# Altium PCB MCP33151 Eval Board.PcbDoc (part 1 of 3) (continued)
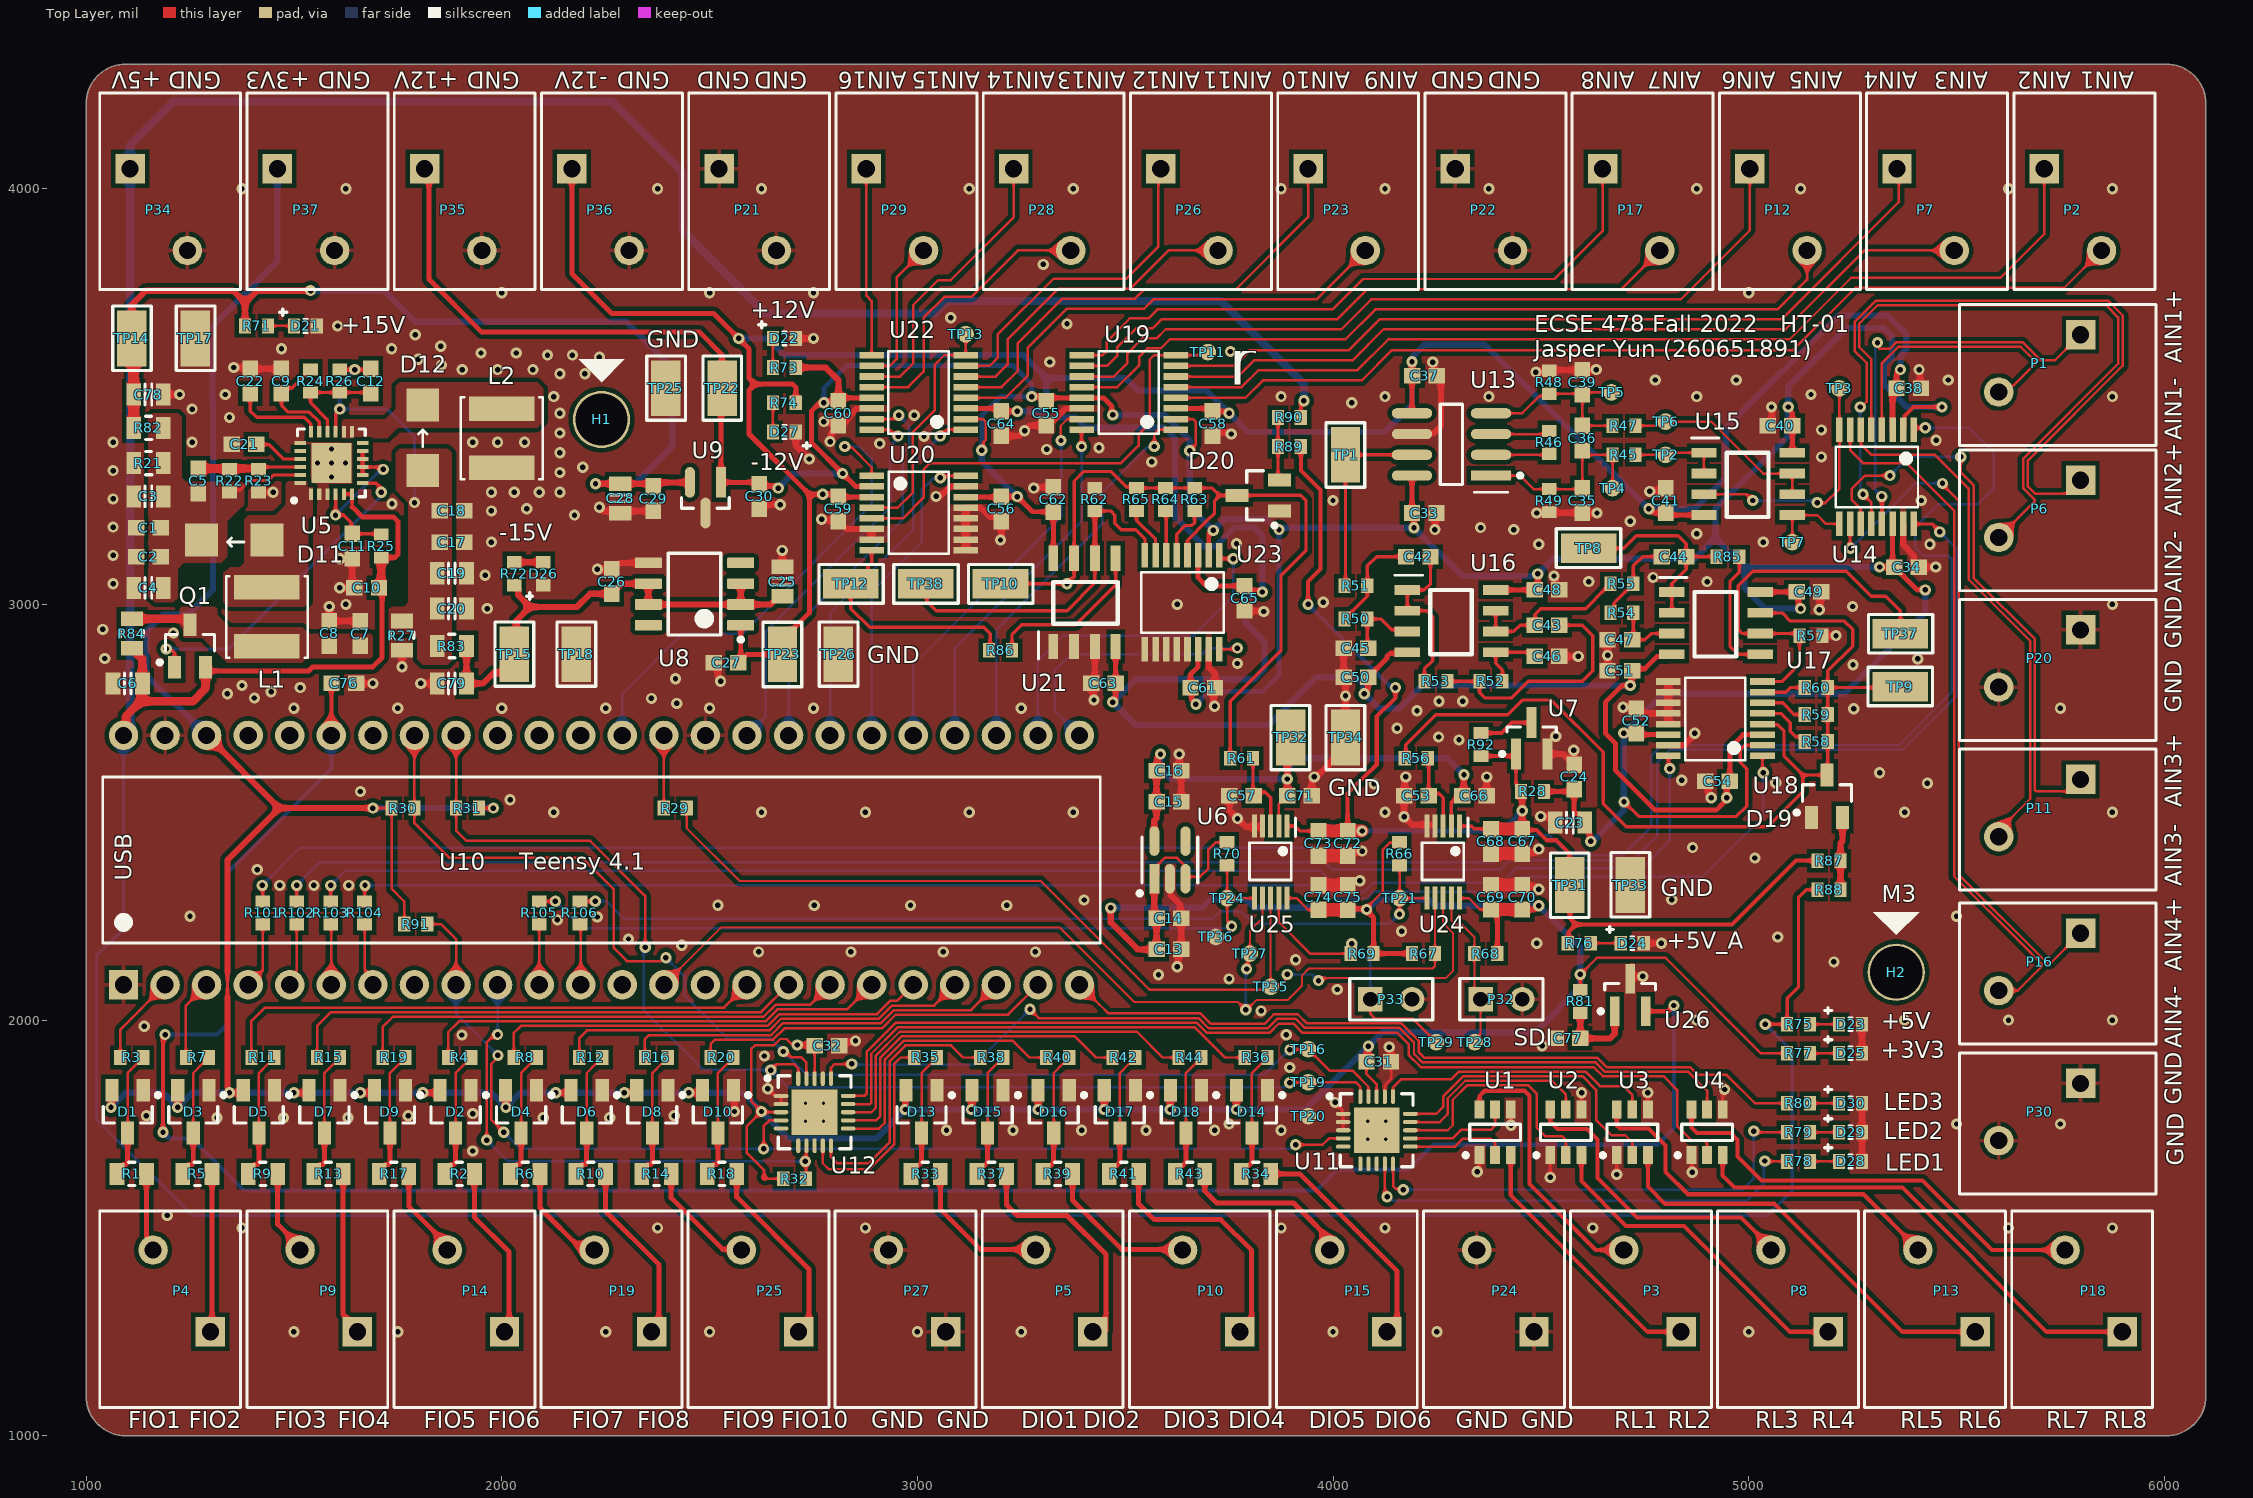
[diagram p0: Top Layer view]
## Classes and differential pairs
net class SPI: SPI_ADC_HS_DE_nCS SPI_ADC_LS_SE_nCS SPI_ADC_SCLK SPI_ADC_SDO
net class I2C: I2C_SCL I2C_SDA
net class Relays: RELAY_COIL_PWR_IN_CH_1 RELAY_COIL_PWR_IN_CH_2 RELAY_COIL_PWR_IN_CH_3 RELAY_COIL_PWR_IN_CH_4 RELAY_COIL_PWR_IN_CH_5 RELAY_COIL_PWR_IN_CH_6 RELAY_COIL_PWR_IN_CH_7 RELAY_COIL_PWR_IN_CH_8
net class "Digital IO": DIO_1 DIO_2 DIO_3 DIO_4 DIO_5 DIO_6 DIO_7 DIO_8 DIO_9 DIO_10 IO_EXPANSION_DIO1 IO_EXPANSION_DIO2 IO_EXPANSION_DIO3 IO_EXPANSION_DIO4 IO_EXPANSION_DIO5 IO_EXPANSION_DIO6
net class AIN_LS_SE: AIN_LS_SE_1 AIN_LS_SE_2 AIN_LS_SE_3 AIN_LS_SE_4 AIN_LS_SE_5 AIN_LS_SE_6 AIN_LS_SE_7 AIN_LS_SE_8 AIN_LS_SE_9 AIN_LS_SE_10 AIN_LS_SE_11 AIN_LS_SE_12 AIN_LS_SE_13 AIN_LS_SE_14 AIN_LS_SE_15 AIN_LS_SE_16
net class AIN_HS_DE: AIN_HS_DE_1_N AIN_HS_DE_1_P AIN_HS_DE_2_N AIN_HS_DE_2_P AIN_HS_DE_3_N AIN_HS_DE_3_P AIN_HS_DE_4_N AIN_HS_DE_4_P
component class "Relay Drivers": U1 U2 U3 U4
component class Power: C1 C2 C3 C4 C5 C6 C7 C8 C9 C10 C11 C12 C13 C14 C15 C16 C17 C18 C19 C20 C21 C22 C23 C24 C25 C26 C27 C28 C29 C30 C78 C79 D11 D12 L1 L2 Q1 R21 R22 R23 R24 R25 R26 R27 R28 R82 R83 R84 R92 U5 U6 U7 U8 U9
component class Microcontroller: C76 C77 R29 R30 R31 R81 R101 R102 R103 R104 R105 R106 U10 U26
component class "IO Expansion": C31 C32 R32 R91 U11 U12
component class "Digital IO Protection": D1 D2 D3 D4 D5 D6 D7 D8 D9 D10 D13 D14 D15 D16 D17 D18 R1 R2 R3 R4 R5 R6 R7 R8 R9 R10 R11 R12 R13 R14 R15 R16 R17 R18 R19 R20 R33 R34 R35 R36 R37 R38 R39 R40 R41 R42 R43 R44
component class Debug: D21 D22 D23 D24 D25 D26 D27 D28 D29 D30 R71 R72 R73 R74 R75 R76 R77 R78 R79 R80 TP14 TP15 TP16 TP17 TP18 TP19 TP20 TP21 TP22 TP23 TP24 TP25 TP26 TP27 TP28 TP29 TP31 TP32 TP33 TP34 TP35 TP36
component class Connectors: H1 H2 P1 P2 P3 P4 P5 P6 P7 P8 P9 P10 P11 P12 P13 P14 P15 P16 P17 P18 P19 P20 P21 P22 P23 P24 P25 P26 P27 P28 P29 P30 P34 P35 P36 P37
component class "Analog - Low Speed SE": C55 C56 C57 C58 C59 C60 C61 C62 C63 C64 C65 D20 R61 R62 R63 R64 R65 R86 R89 R90 TP10 TP11 TP12 TP13 TP38 U19 U20 U21 U22 U23
component class "Analog - High Speed DE": C33 C34 C35 C36 C37 C38 C39 C40 C41 C42 C43 C44 C45 C46 C47 C48 C49 C50 C51 C52 C53 C54 D19 R45 R46 R47 R48 R49 R50 R51 R52 R53 R54 R55 R56 R57 R58 R59 R60 R85 R87 R88 TP1 TP2 TP3 TP4 TP5 TP6 TP7 TP8 TP9 TP37 U13 U14 U15 U16 U17 U18
component class ADC: C66 C67 C68 C69 C70 C71 C72 C73 C74 C75 P32 P33 R66 R67 R68 R69 R70 U24 U25

## Components (designator, comment, footprint, x,y, rotation, side; value= is the part's Value field where it differs from the comment)
C1 "10nF" "0603 CAP SAMSUNG CL10C" 1150,3185 r0 top value=0603
C2 "100nF" "0603 CAP SAMSUNG CL10C" 1150,3115 r0 top value=0603
C3 "47uF" "0805 CAP" 1150,3260 r0 top value=0805
C4 "47uF" "0805 CAP" 1150,3040 r0 top value=0805
C5 "13pF" "0603 CAP SAMSUNG CL10C" 1270,3297.44 r90 top value=0603
C6 "47uF" "0805 CAP" 1100,2810 r0 top value=0805
C7 "10uF" "0603 CAP SAMSUNG CL10C" 1660,2930 r270 top value=0603
C8 "100nF" "0603 CAP SAMSUNG CL10C" 1585,2930.47 r270 top value=0603
C9 "220nF" "0603 CAP SAMSUNG CL10C" 1470,3537.44 r90 top value=0603
C10 "10uF" "0603 CAP SAMSUNG CL10C" 1675,3040 r0 top value=0603
C11 "100nF" "0603 CAP SAMSUNG CL10C" 1640,3140.47 r90 top value=0603
C12 "13pF" "0603 CAP SAMSUNG CL10C" 1685,3537.44 r270 top value=0603
C13 "10uF" "0603 CAP SAMSUNG CL10C" 3605,2170 r180 top value=0603
C14 "100nF" "0603 CAP SAMSUNG CL10C" 3605,2245 r180 top value=0603
C15 "100nF" "0603 CAP SAMSUNG CL10C" 3605,2525 r180 top value=0603
C16 "10uF" "0603 CAP SAMSUNG CL10C" 3605.47,2600 r180 top value=0603
C17 "10nF" "0603 CAP SAMSUNG CL10C" 1880,3150 r180 top value=0603
C18 "100nF" "0603 CAP SAMSUNG CL10C" 1880,3225 r180 top value=0603
C19 "47uF" "0805 CAP" 1880,3075 r180 top value=0805
C20 "47uF" "0805 CAP" 1880,2990 r180 top value=0805
C21 "10nF" "0603 CAP SAMSUNG CL10C" 1380,3385 r0 top value=0603
C22 "4.7nF" "0603 CAP SAMSUNG CL10C" 1395,3537.44 r270 top value=0603
C23 "10uF" "0805 CAP" 4570,2475 r0 top value=0805
C24 "100nF" "0603 CAP SAMSUNG CL10C" 4580,2585 r270 top value=0603
C25 "10uF" "0805 CAP" 2675,3055 r270 top value=0805
C26 "100nF" "0603 CAP SAMSUNG CL10C" 2265,3055 r270 top value=0603
C27 "100nF" "0603 CAP SAMSUNG CL10C" 2539.53,2860 r0 top value=0603
C28 "10uF" "0805 CAP" 2285,3255 r90 top value=0805
C29 "100nF" "0603 CAP SAMSUNG CL10C" 2365,3254.53 r90 top value=0603
C30 "100nF" "0603 CAP SAMSUNG CL10C" 2620,3260 r90 top value=0603
C31 "100nF" "0603 CAP SAMSUNG CL10C" 4110,1900 r180 top value=0603
C32 "100nF" "0603 CAP SAMSUNG CL10C" 2782.65,1938.35 r180 top value=0603
C33 "100nF" "0603 CAP SAMSUNG CL10C" 4219.5,3220 r180 top value=0603
C34 "100nF" "0603 CAP SAMSUNG CL10C" 5380,3090 r180 top value=0603
C35 "100pF" "0603 CAP SAMSUNG CL10C" 4600,3250 r270 top value=0603
C36 "1nF" "0603 CAP SAMSUNG CL10C" 4600,3400 r270 top value=0603
C37 "100nF" "0603 CAP SAMSUNG CL10C" 4220,3550 r180 top value=0603
C38 "100nF" "0603 CAP SAMSUNG CL10C" 5385,3520 r180 top value=0603
C39 "100pF" "0603 CAP SAMSUNG CL10C" 4600,3534.53 r270 top value=0603
C40 "100nF" "0603 CAP SAMSUNG CL10C" 5075.47,3430 r0 top value=0603
C41 "100nF" "0603 CAP SAMSUNG CL10C" 4800,3250 r90 top value=0603
C42 "1nF" "0603 CAP SAMSUNG CL10C" 4205,3115 r180 top value=0603
C43 "1nF" "0603 CAP SAMSUNG CL10C" 4515,2950 r0 top value=0603
C44 "1nF" "0603 CAP SAMSUNG CL10C" 4820,3115 r180 top value=0603
C45 "100pF" "0603 CAP SAMSUNG CL10C" 4055,2895 r0 top value=0603
C46 "100pF" "0603 CAP SAMSUNG CL10C" 4515,2875 r180 top value=0603
C47 "100pF" "0603 CAP SAMSUNG CL10C" 4690,2915 r0 top value=0603
C48 "100nF" "0603 CAP SAMSUNG CL10C" 4515,3035 r180 top value=0603
C49 "100nF" "0603 CAP SAMSUNG CL10C" 5145,3030 r180 top value=0603
C50 "100nF" "0603 CAP SAMSUNG CL10C" 4055,2825 r180 top value=0603
C51 "100nF" "0603 CAP SAMSUNG CL10C" 4690,2840 r180 top value=0603
C52 "100nF" "0603 CAP SAMSUNG CL10C" 4730,2720 r270 top value=0603
C53 "100nF" "0603 CAP SAMSUNG CL10C" 4200.47,2540 r0 top value=0603
C54 "100nF" "0603 CAP SAMSUNG CL10C" 4925,2575 r0 top value=0603
C55 "100nF" "0603 CAP SAMSUNG CL10C" 3310,3460 r90 top value=0603
C56 "100nF" "0603 CAP SAMSUNG CL10C" 3202,3230 r90 top value=0603
C57 "100nF" "0603 CAP SAMSUNG CL10C" 3780,2540 r0 top value=0603
C58 "100nF" "0603 CAP SAMSUNG CL10C" 3710,3435 r90 top value=0603
C59 "100nF" "0603 CAP SAMSUNG CL10C" 2810,3230 r90 top value=0603
C60 "100nF" "0603 CAP SAMSUNG CL10C" 2810,3460 r90 top value=0603
C61 "100nF" "0603 CAP SAMSUNG CL10C" 3686.53,2800 r180 top value=0603
C62 "100nF" "0603 CAP SAMSUNG CL10C" 3327,3252.56 r270 top value=0603
C63 "100nF" "0603 CAP SAMSUNG CL10C" 3447.47,2810 r180 top value=0603
C64 "100nF" "0603 CAP SAMSUNG CL10C" 3202,3435 r90 top value=0603
C65 "100nF" "0603 CAP SAMSUNG CL10C" 3787,3015 r90 top value=0603
C66 "10uF" "0603 CAP SAMSUNG CL10C" 4340,2540 r180 top value=0603
C67 "10uF" "0603 CAP SAMSUNG CL10C" 4455,2430 r90 top value=0603
C68 "100nF" "0603 CAP SAMSUNG CL10C" 4380,2430 r90 top value=0603
C69 "100nF" "0603 CAP SAMSUNG CL10C" 4380,2295.47 r270 top value=0603
C70 "10uF" "0603 CAP SAMSUNG CL10C" 4455,2295.47 r270 top value=0603
C71 "10uF" "0603 CAP SAMSUNG CL10C" 3919.53,2540 r180 top value=0603
C72 "10uF" "0603 CAP SAMSUNG CL10C" 4035,2425 r90 top value=0603
C73 "100nF" "0603 CAP SAMSUNG CL10C" 3965,2425 r90 top value=0603
C74 "100nF" "0603 CAP SAMSUNG CL10C" 3965,2295 r270 top value=0603
C75 "10uF" "0603 CAP SAMSUNG CL10C" 4035,2295 r270 top value=0603
C76 "100nF" "0603 CAP SAMSUNG CL10C" 1620,2810 r180 top value=0603
C77 "100nF" "0603 CAP SAMSUNG CL10C" 4565,1956 r0 top value=0603
C78 "47uF" "0805 CAP" 1150,3505 r180 top value=0805
C79 "47uF" "0805 CAP" 1880,2810 r0 top value=0805
D1 "BAT54S" SOT23-3 1100,1780 r270 top
D2 "BAT54S" SOT23-3 1888.89,1780 r270 top
D3 "BAT54S" SOT23-3 1257.78,1780 r270 top
D4 "BAT54S" SOT23-3 2046.67,1780 r270 top
D5 "BAT54S" SOT23-3 1415.56,1780 r270 top
D6 "BAT54S" SOT23-3 2204.44,1780 r270 top
D7 "BAT54S" SOT23-3 1573.33,1780 r270 top
D8 "BAT54S" SOT23-3 2362.22,1780 r270 top
D9 "BAT54S" SOT23-3 1731.11,1780 r270 top
D10 "BAT54S" SOT23-3 2520,1780 r270 top
D11 "CDBA140-HF" "Diode SMA" 1356.26,3155 r0 top
D12 "CDBA140-HF" "Diode SMA" 1810,3401.26 r270 top
D13 "BAT54S" SOT23-3 3010,1780 r270 top
D14 "BAT54S" SOT23-3 3805,1780 r270 top
D15 "BAT54S" SOT23-3 3169,1780 r270 top
D16 "BAT54S" SOT23-3 3328,1780 r270 top
D17 "BAT54S" SOT23-3 3487,1780 r270 top
D18 "BAT54S" SOT23-3 3646,1780 r270 top
D19 "BAT54S" SOT23-3 5188.35,2538.62 r90 top
D20 "BAT54S" SOT23-3 3820,3262.4 r180 top
D21 "LED Green" "0603 LED" 1527.56,3670 r0 top
D22 "LED Green" "0603 LED" 2680,3640 r0 top
D23 "LED Green" "0603 LED" 5245.12,1990 r0 top
D24 "LED Green" "0603 LED" 4720,2185 r0 top
D25 "LED Green" "0603 LED" 5245.12,1920 r0 top
D26 "LED Green" "0603 LED" 2100,3074 r90 top
D27 "LED Green" "0603 LED" 2680,3415 r180 top
D28 "LED Red" "0603 LED" 5245.12,1660 r0 top
D29 "LED Green" "0603 LED" 5245.12,1730 r0 top
D30 "LED Green" "0603 LED" 5245.12,1800 r0 top
H1 "M3" "HOLE M3" 2240,3445 r0 top
H2 "M3" "HOLE M3" 5355,2115 r0 top
L1 "4.7uH" "Inductor BWVS005050403R3M00" 1435,2970 r0 top value=Value
L2 "4.7uH" "Inductor BWVS005050403R3M00" 2000,3400 r0 top value=Value
P1 "1985195" "TERMINAL BLOCK 1985195 2-POS 3.5MM PITCH" 5700,3580 r90 top
P2 "1985195" "TERMINAL BLOCK 1985195 2-POS 3.5MM PITCH" 5780,3950 r180 top
P3 "1985195" "TERMINAL BLOCK 1985195 2-POS 3.5MM PITCH" 4768.46,1348.43 r0 top
P4 "1985195" "TERMINAL BLOCK 1985195 2-POS 3.5MM PITCH" 1230,1348.43 r0 top
P5 "1985195" "TERMINAL BLOCK 1985195 2-POS 3.5MM PITCH" 3353.08,1348.43 r0 top
P6 "1985195" "TERMINAL BLOCK 1985195 2-POS 3.5MM PITCH" 5700,3230 r90 top
P7 "1985195" "TERMINAL BLOCK 1985195 2-POS 3.5MM PITCH" 5425.75,3950 r180 top
P8 "1985195" "TERMINAL BLOCK 1985195 2-POS 3.5MM PITCH" 5122.31,1348.43 r0 top
P9 "1985195" "TERMINAL BLOCK 1985195 2-POS 3.5MM PITCH" 1583.85,1348.43 r0 top
P10 "1985195" "TERMINAL BLOCK 1985195 2-POS 3.5MM PITCH" 3706.92,1348.43 r0 top
P11 "1985195" "TERMINAL BLOCK 1985195 2-POS 3.5MM PITCH" 5700,2510 r90 top
P12 "1985195" "TERMINAL BLOCK 1985195 2-POS 3.5MM PITCH" 5071.51,3950 r180 top
P13 "1985195" "TERMINAL BLOCK 1985195 2-POS 3.5MM PITCH" 5476.15,1348.43 r0 top
P14 "1985195" "TERMINAL BLOCK 1985195 2-POS 3.5MM PITCH" 1937.69,1348.43 r0 top
P15 "1985195" "TERMINAL BLOCK 1985195 2-POS 3.5MM PITCH" 4060.77,1348.43 r0 top
P16 "1985195" "TERMINAL BLOCK 1985195 2-POS 3.5MM PITCH" 5700,2140 r90 top
P17 "1985195" "TERMINAL BLOCK 1985195 2-POS 3.5MM PITCH" 4717.26,3950 r180 top
P18 "1985195" "TERMINAL BLOCK 1985195 2-POS 3.5MM PITCH" 5830,1348.43 r0 top
P19 "1985195" "TERMINAL BLOCK 1985195 2-POS 3.5MM PITCH" 2291.54,1348.43 r0 top
P20 "1985195" "TERMINAL BLOCK 1985195 2-POS 3.5MM PITCH" 5700,2870 r90 top
P21 "1985195" "TERMINAL BLOCK 1985195 2-POS 3.5MM PITCH" 2591.78,3950 r180 top
P22 "1985195" "TERMINAL BLOCK 1985195 2-POS 3.5MM PITCH" 4363.01,3950 r180 top
P23 "1985195" "TERMINAL BLOCK 1985195 2-POS 3.5MM PITCH" 4008.77,3950 r180 top
P24 "1985195" "TERMINAL BLOCK 1985195 2-POS 3.5MM PITCH" 4414.61,1348.43 r0 top
P25 "1985195" "TERMINAL BLOCK 1985195 2-POS 3.5MM PITCH" 2645.38,1348.43 r0 top
P26 "1985195" "TERMINAL BLOCK 1985195 2-POS 3.5MM PITCH" 3654.52,3950 r180 top
P27 "1985195" "TERMINAL BLOCK 1985195 2-POS 3.5MM PITCH" 2999.23,1348.43 r0 top
P28 "1985195" "TERMINAL BLOCK 1985195 2-POS 3.5MM PITCH" 3300.27,3950 r180 top
P29 "1985195" "TERMINAL BLOCK 1985195 2-POS 3.5MM PITCH" 2946.03,3950 r180 top
P30 "1985195" "TERMINAL BLOCK 1985195 2-POS 3.5MM PITCH" 5700,1778.9 r90 top
P32 "Jumper" HDR1X2 4355,2050 r0 top
P33 "Jumper" HDR1X2 4090,2050 r0 top
P34 "1985195" "TERMINAL BLOCK 1985195 2-POS 3.5MM PITCH" 1174.8,3950 r180 top
P35 "1985195" "TERMINAL BLOCK 1985195 2-POS 3.5MM PITCH" 1883.29,3950 r180 top
P36 "1985195" "TERMINAL BLOCK 1985195 2-POS 3.5MM PITCH" 2237.53,3950 r180 top
P37 "1985195" "TERMINAL BLOCK 1985195 2-POS 3.5MM PITCH" 1529.04,3950 r180 top
Q1 "AO3407A" SOT23-3 1250,2900 r90 top
R1 "470R" "0805 RES" 1109.85,1630 r180 top
R2 "470R" "0805 RES" 1898.73,1630 r180 top
R3 "10R" "0603 RES" 1109.85,1910 r0 top
R4 "10R" "0603 RES" 1898.73,1910 r0 top
R5 "470R" "0805 RES" 1267.62,1630 r180 top
R6 "470R" "0805 RES" 2056.51,1630 r180 top
R7 "10R" "0603 RES" 1267.62,1910 r0 top
R8 "10R" "0603 RES" 2056.51,1910 r0 top
R9 "470R" "0805 RES" 1425.4,1630 r180 top
R10 "470R" "0805 RES" 2214.29,1630 r180 top
R11 "10R" "0603 RES" 1425.4,1910 r0 top
R12 "10R" "0603 RES" 2214.29,1910 r0 top
R13 "470R" "0805 RES" 1583.18,1630 r180 top
R14 "470R" "0805 RES" 2372.07,1630 r180 top
R15 "10R" "0603 RES" 1583.18,1910 r0 top
R16 "10R" "0603 RES" 2372.07,1910 r0 top
R17 "470R" "0805 RES" 1740.96,1630 r180 top
R18 "470R" "0805 RES" 2529.85,1630 r180 top
R19 "10R" "0603 RES" 1740.96,1910 r0 top
R20 "10R" "0603 RES" 2529.84,1910 r0 top
R21 "10K0" "0805 RES" 1150,3340 r0 top value=0805
R22 "536K0" "0603 RES" 1345,3297.44 r90 top value=1%
R23 "47K50" "0603 RES" 1415,3297.44 r270 top value=1%
R24 "47K50" "0603 RES" 1540,3537.44 r270 top value=1%
R25 "100R" "0603 RES" 1710,3140.47 r90 top value=1%
R26 "576K00" "0603 RES" 1610,3537.44 r270 top value=1%
R27 "10K0" "0805 RES" 1760,2925 r90 top value=0805
R28 "4K22" "0603 RES" 4480,2550 r180 top value=1%
R29 "33R" "0603 RES" 2417.56,2510 r0 top value=1%
R30 "2K55" "0603 RES" 1762.44,2510 r0 top value=0603
R31 "2K55" "0603 RES" 1917.56,2510 r180 top value=0603
R32 "10K0" "0603 RES" 2704.65,1618.35 r0 top value=1%
R33 "470R" "0805 RES" 3019.85,1630 r180 top
R34 "470R" "0805 RES" 3814.85,1630 r180 top
R35 "10R" "0603 RES" 3019.85,1910 r0 top
R36 "10R" "0603 RES" 3814.85,1910 r0 top
R37 "470R" "0805 RES" 3178.85,1630 r180 top
R38 "10R" "0603 RES" 3178.85,1910 r0 top
R39 "470R" "0805 RES" 3337.85,1630 r180 top
R40 "10R" "0603 RES" 3337.85,1910 r0 top
R41 "470R" "0805 RES" 3496.85,1630 r180 top
R42 "10R" "0603 RES" 3496.85,1910 r0 top
R43 "470R" "0805 RES" 3655.85,1630 r180 top
R44 "10R" "0603 RES" 3655.85,1910 r0 top
R45 "0R" "0603 RES" 4699.98,3360 r0 top value=1%
R46 "1K00" "0603 RES" 4520,3390 r270 top value=1%
R47 "0R" "0603 RES" 4699.98,3430 r0 top value=1%
R48 "47K5" "0603 RES" 4520,3534.53 r270 top value=1%
R49 "47K5" "0603 RES" 4520,3250 r90 top value=1%
R50 "63K40" "0603 RES" 4055,2965 r0 top value=1%
R51 "1K69" "0603 RES" 4055,3045 r0 top value=1%
R52 "48K70" "0603 RES" 4380,2815 r0 top value=1%
R53 "1K96" "0603 RES" 4247.56,2815 r0 top value=1%
R54 "24K30" "0603 RES" 4695,2980 r0 top value=1%
R55 "3K16" "0603 RES" 4695,3050 r0 top value=1%
R56 "0R" "0603 RES" 4200,2630 r180 top value=1%
R57 "4K99" "0603 RES" 5150,2925 r180 top value=0.1%
R58 "45K30" "0603 RES" 5162.56,2670 r180 top value=1%
R59 "243K00" "0603 RES" 5162.56,2735 r180 top value=1%
R60 "499K00" "0603 RES" 5162.56,2800 r180 top value=1%
R61 "0R" "0603 RES" 3780,2630 r180 top value=1%
R62 "4K99" "0603 RES" 3427,3252.56 r270 top value=0.1%
R63 "45K30" "0603 RES" 3667,3252.56 r270 top value=1%
R64 "243K00" "0603 RES" 3597,3252.56 r270 top value=1%
R65 "499K00" "0603 RES" 3527,3252.56 r270 top value=1%
R66 "10K0" "0603 RES" 4160,2400 r90 top value=1%
R67 "10K0" "0603 RES" 4217.76,2160 r180 top value=1%
R68 "10K0" "0603 RES" 4367.56,2160 r0 top value=1%
R69 "10K0" "0603 RES" 4070,2160 r0 top value=1%
R70 "10K0" "0603 RES" 3745,2400 r90 top value=1%
R71 "10K0" "0603 RES" 1410,3670 r180 top value=0603
R72 "10K0" "0603 RES" 2030,3074 r270 top value=0603
R73 "10K0" "0603 RES" 2680,3570 r0 top value=0603
R74 "10K0" "0603 RES" 2680,3485 r0 top value=0603
R75 "4K70" "0603 RES" 5120,1990 r180 top value=0603
R76 "4K70" "0603 RES" 4592.44,2185 r180 top value=0603
R77 "2K55" "0603 RES" 5120,1920 r180 top value=0603
R78 "2K55" "0603 RES" 5120,1660 r180 top value=0603
R79 "2K55" "0603 RES" 5120,1730 r180 top value=0603
R80 "2K55" "0603 RES" 5120,1800 r180 top value=0603
R81 "200R" "0603 RES" 4595,2045 r270 top value=1%
R82 "15R" "0805 RES" 1150,3425 r0 top value=0805
R83 "15R" "0805 RES" 1880,2900 r180 top value=0805
R84 "0R" "0805 RES" 1110,2930 r270 top value=0805
R85 "4K53" "0603 RES" 4950,3115 r180 top value=0.1%
R86 "4K53" "0603 RES" 3200,2890 r180 top value=0.1%
R87 "0R" "0603 RES" 5193.35,2383.62 r0 top value=1%
R88 "0R" "0603 RES" 5193.35,2313.62 r0 top value=1%
R89 "0R" "0603 RES" 3895,3380 r180 top value=1%
R90 "0R" "0603 RES" 3895,3450 r180 top value=1%
R91 "10K0" "0603 RES" 1793,2231 r0 top value=1%
R92 "0R" "0603 RES" 4356,2663 r90 top value=1%
R101 "33R" "0603 RES" 1425,2258 r270 top value=1%
R102 "33R" "0603 RES" 1506.67,2258 r270 top value=1%
R103 "33R" "0603 RES" 1588.33,2258 r270 top value=1%
R104 "33R" "0603 RES" 1670,2258 r270 top value=1%
R105 "33R" "0603 RES" 2090,2258 r270 top value=1%
R106 "33R" "0603 RES" 2188,2258 r270 top value=1%
TP1 "Test Point" "Test Point Keystone 5015" 4030,3360 r270 top
TP2 "Test Point" "TEST POINT SMD PAD" 4800,3360 r180 top
TP3 "Test Point" "TEST POINT SMD PAD" 5218.23,3520 r180 top
TP4 "Test Point" "TEST POINT SMD PAD" 4672.42,3280 r270 top
TP5 "Test Point" "TEST POINT SMD PAD" 4670,3510 r270 top
TP6 "Test Point" "TEST POINT SMD PAD" 4800,3440 r0 top
TP7 "Test Point" "TEST POINT SMD PAD" 5105,3150 r270 top
TP8 "Test Point" "Test Point Keystone 5015" 4615,3135 r180 top
TP9 "Test Point" "Test Point Keystone 5015" 5365,2802 r180 top
TP10 "Test Point" "Test Point Keystone 5015" 3200,3050 r0 top
TP11 "Test Point" "TEST POINT SMD PAD" 3699,3607 r0 top
TP12 "Test Point" "Test Point Keystone 5015" 2840,3050 r0 top
TP13 "Test Point" "TEST POINT SMD PAD" 3116.19,3650 r0 top
TP14 "Test Point" "Test Point Keystone 5015" 1110,3640 r90 top
TP15 "Test Point" "Test Point Keystone 5015" 2030,2880 r90 top
TP16 "Test Point" "TEST POINT SMD PAD" 3940,1930 r0 top
TP17 "Test Point" "Test Point Keystone 5015" 1263,3640 r90 top
TP18 "Test Point" "Test Point Keystone 5015" 2179,2880 r90 top
TP19 "Test Point" "TEST POINT SMD PAD" 3940,1850 r0 top
TP20 "Test Point" "TEST POINT SMD PAD" 3940,1769 r0 top
TP21 "Test Point" "TEST POINT SMD PAD" 4160,2293.39 r90 top
TP22 "Test Point" "Test Point Keystone 5015" 2530,3520 r90 top
TP23 "Test Point" "Test Point Keystone 5015" 2675.5,2880 r270 top
TP24 "Test Point" "TEST POINT SMD PAD" 3745,2293.39 r90 top
TP25 "Test Point" "Test Point Keystone 5015" 2395,3520 r90 top
TP26 "Test Point" "Test Point Keystone 5015" 2810,2880 r90 top
TP27 "Test Point" "TEST POINT SMD PAD" 3800,2160 r270 top
TP28 "Test Point" "TEST POINT SMD PAD" 4341,1947 r180 top
TP29 "Test Point" "TEST POINT SMD PAD" 4248,1947 r180 top
TP31 "Test Point" "Test Point Keystone 5015" 4570,2325 r270 top
TP32 "Test Point" "Test Point Keystone 5015" 3898,2680 r270 top
TP33 "Test Point" "Test Point Keystone 5015" 4715,2325 r90 top
TP34 "Test Point" "Test Point Keystone 5015" 4030,2680 r270 top
TP35 "Test Point" "TEST POINT SMD PAD" 3850,2080 r180 top
TP36 "Test Point" "TEST POINT SMD PAD" 3718,2200 r180 top
TP37 "Test Point" "Test Point Keystone 5015" 5365,2930 r0 top
TP38 "Test Point" "Test Point Keystone 5015" 3020,3050 r0 top
U1 "NUD3160DMT1G" SOT23-6 4390,1730 r90 top
U2 "NUD3160DMT1G" SOT23-6 4560,1730 r90 top
U3 "NUD3160DMT1G" SOT23-6 4720,1730 r90 top
U4 "NUD3160DMT1G" SOT23-6 4900,1730 r90 top
U5 "TPS65131RGER" VQFN-24 1590.47,3340.2 r90 top
U6 "TLV74118PDBVR" FP-DBV0005A-IPC_A 3607.4,2385.29 r90 top
U7 "ADR5045BRTZ-REEL7" ADI-RT-3_M 4477.8,2677.8 r90 top
U8 "MC79L12ACDR" D0008A_M 2463.78,3025 r180 top
U9 "TLV76012DBZR" FP-DBZ0003A-IPC_A 2490,3256.82 r270 top
U10 "Teensy 4.1" "TEENSY 4.1" 2240,2385 r90 top locked
U11 "MCP23008-E/ML" QFN-ML20_M 4105,1735 r0 top
U12 "MCP23008-E/ML" QFN-ML20_M 2752.71,1778.37 r0 top
U13 "INA821IDR" FP-D0008A-IPC_A 4284.98,3385 r180 top
U14 "DG409DQ-E3" TSSOP-16 5307.8,3306.81 r180 top
U15 "RC4580" SOIC-8 4998.7,3290 r270 top
U16 "RC4580" SOIC-8 4285,2960 r270 top
U17 "RC4580" SOIC-8 4921.3,2955 r270 top
U18 "DG409DQ-E3" TSSOP-16 4920,2725 r90 top
U19 "DG408DQ-T1-E3" TSSOP-16 3508.81,3510 r90 top
U20 "DG409DQ-E3" TSSOP-16 3003,3220 r270 top
U21 "RC4580" SOIC-8 3402,3005 r0 top
U22 "DG408DQ-T1-E3" TSSOP-16 3003,3510 r90 top
U23 "DG409DQ-E3" TSSOP-16 3637,3005 r180 top
U24 "MCP33151-10-E/MS" MSOP-10 4265,2380 r180 top
U25 "MCP33151-10-E/MS" MSOP-10 3850,2380 r180 top
U26 "MCP9700T-E/TT" SOT-23-TT3_M 4715,2060.63 r90 top
